# EAGLE board working (EAGLE 9.6.2), part 21 of 28 (continued)
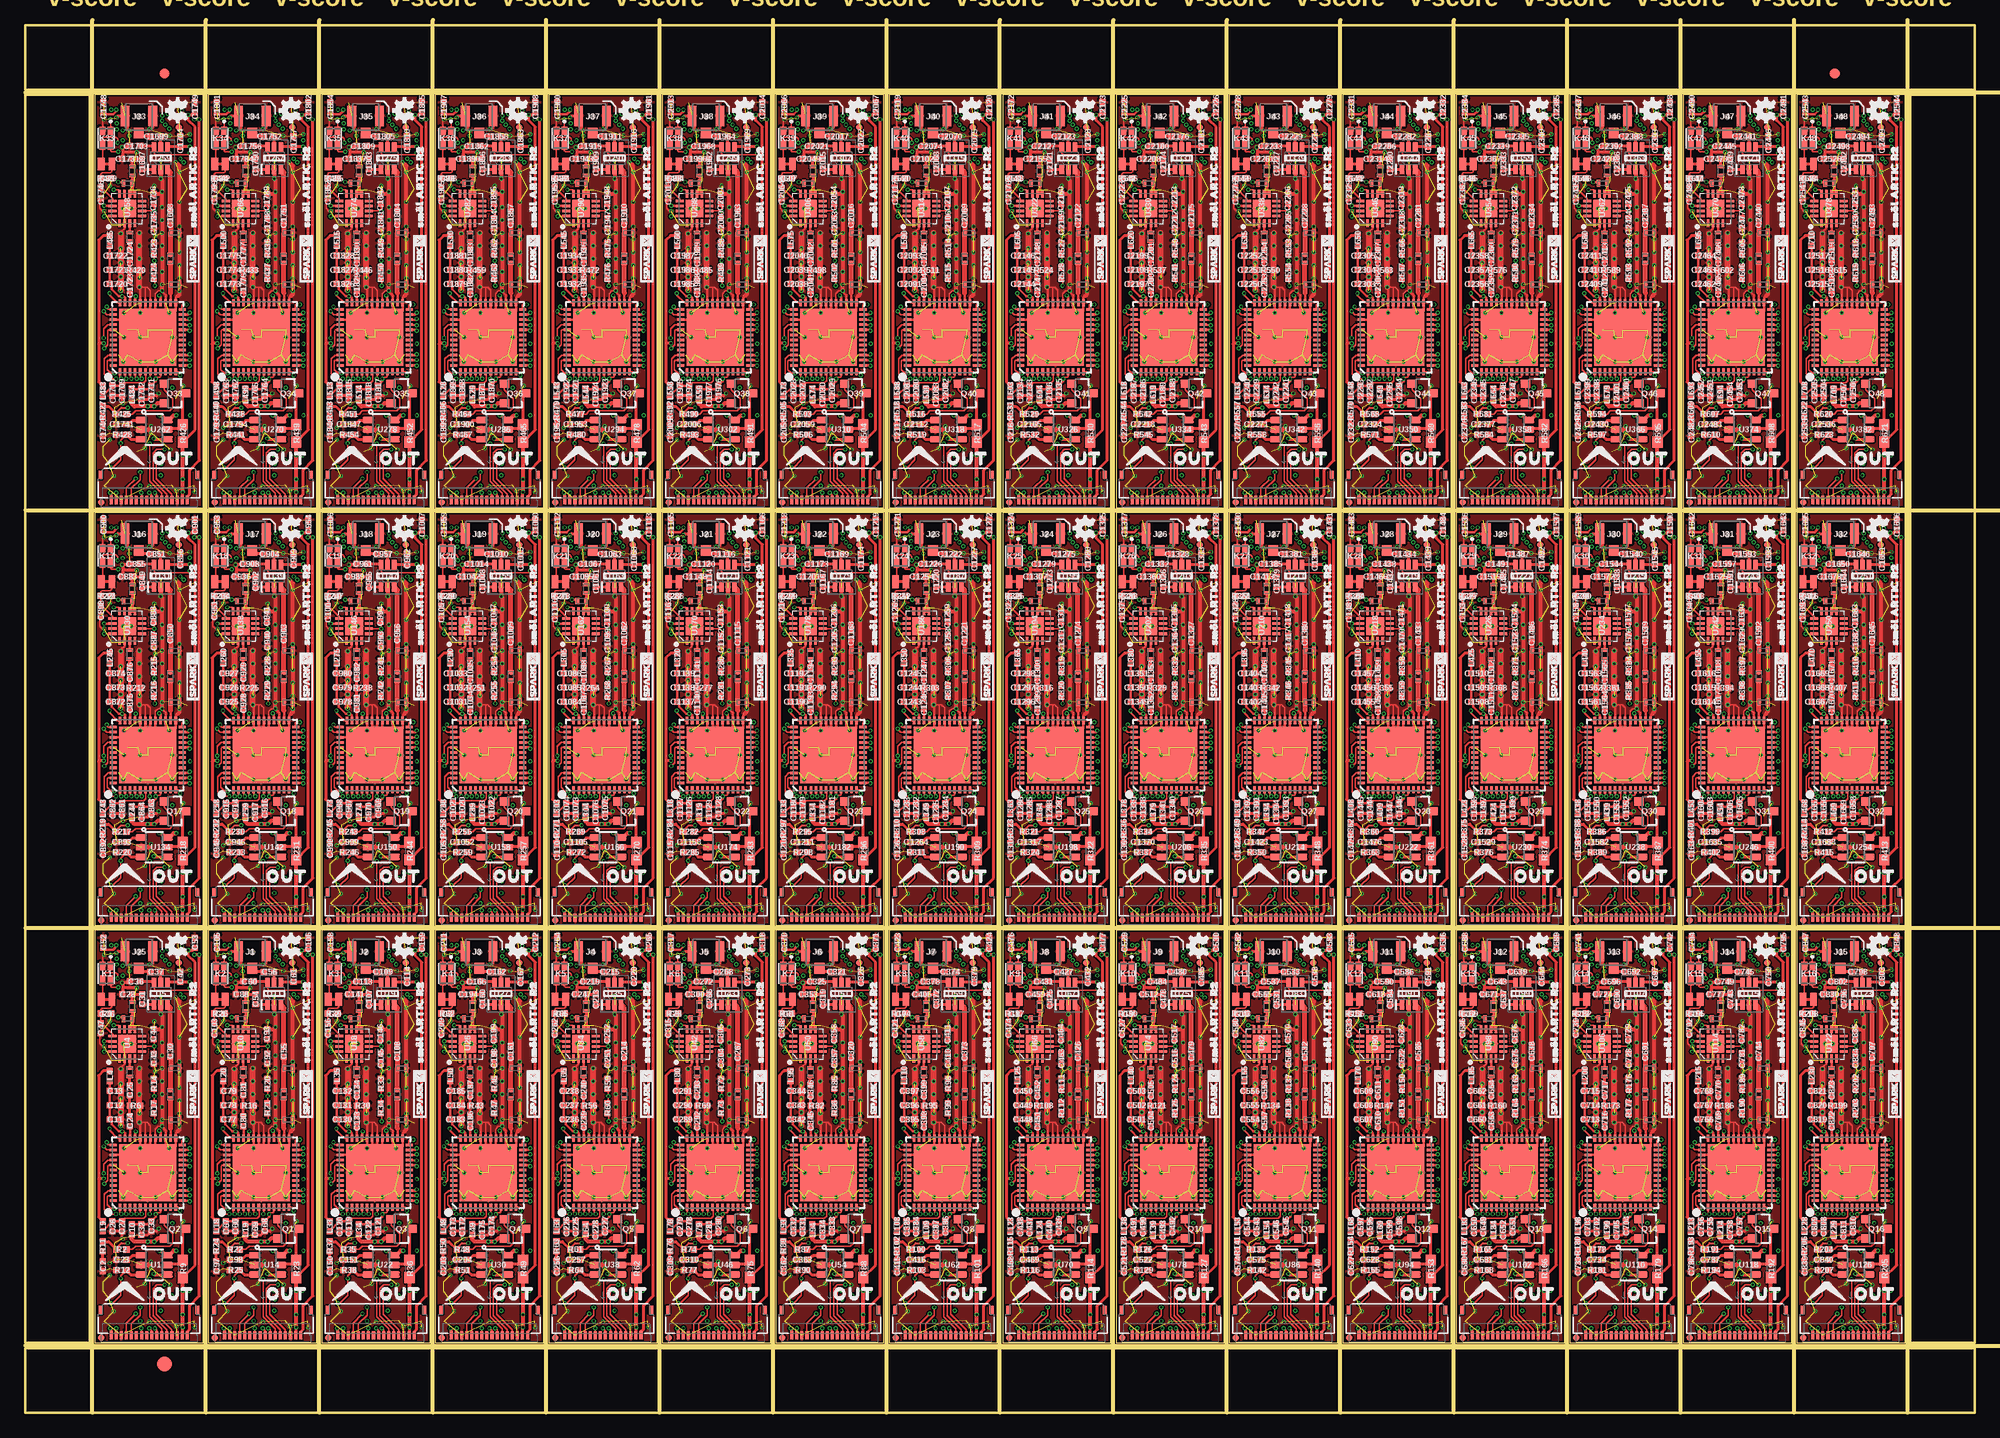
[diagram p0: board, top side]
## Tracks (layer width: path | path; a pad name or v marks a point on that pad's centre or on a via) (continued)
  Bottom 0.305: C964.1 36.83,68.78 36.83,68.57 37.27,68.14 L271.1 v38.23,68.01 38.23,68.59 C963.1
N$509  (via drill 0.2)
  Top 0.254: U145.23 38.29,67.02 38.3,67.03 38.39,67.03 v38.54,67.18
  Bottom 0.305: L272.1 37.85,66.99 38.04,67.18 v38.54,67.18
  Bottom 0.406: C965.1 C966.1 L272.1
N$510
  Top 0.152: U145.6 34.22,61.32 34.22,60.49 34.02,60.29 32.17,60.29 C967.1 | L273.1 29.97,59.02 30.93,59.98 C968.1
  Top 0.254: C968.1 C967.1
N$511  (via drill 0.2)
  Top 0.152: v35.18,60.7 35.18,60.77 35.23,60.82 35.57,60.82 35.67,60.92 U145.9
  Top 0.254: L274.1 C970.1 34.42,59.68 C969.1 35.18,60.44 v35.18,60.7
  Bottom 0.152: v35.18,60.7 34.42,59.94 R235.1 R236.2
N$512  (via drill 0.2)
  Top 0.254: U145.35 32.17,68.67 32,68.84 v31.88,68.84 31.56,68.84 30.87,69.52 30.87,69.85 C978.1 C979.1 C980.1 L275.1 | U145.28 35.67,68.77 v35.54,68.9 | U145.33 33.17,68.78 v33.22,68.84
  Bottom 0.254: v35.54,68.9 35.48,68.84 v33.22,68.84 v31.88,68.84
N$513  (via drill 0.2)
  Top 0.152: U145.36 31.41,68.17 30.64,68.93 v30.64,69.12
  Bottom 0.254: L276.1 30.99,69.47 v30.64,69.12 30.64,69.11 31.17,68.58 C972.1 31.19,68.45 31.63,68.01 C971.1
N$514  (via drill 0.2)
  Top 0.127: U145.41 30.54,65.52 30.46,65.43 30.46,64.03 v30.11,63.69
  Bottom 0.152: v30.11,63.69 30.11,63.11 R237.1
N$515  (via drill 0.2)
  Top 0.152: U145.40 30.46,66.02 30.06,65.62 v30.06,64.71
  Bottom 0.152: v30.06,64.71 30.85,64.71 C973.1 C974.1 L277.1
N$516  (via drill 0.2)
  Top 0.152: v30.35,67.77 30.35,67.68 30.51,67.52 U145.37
  Bottom 0.152: v30.35,67.77 30.86,67.27 31.37,67.27 31.84,66.79 32.11,66.79 X19.4 33.44,66.45 C976.1 C975.1
N$517
  Bottom 0.152: C977.1 30.12,65.63 30.95,66.45 X19.3
N$518  (via drill 0.2)
  Top 0.152: U145.38 30.36,67.02 30.06,67.32 v30.06,67.36
  Bottom 0.152: v30.06,67.36 30.04,67.33 C977.2
N$519
  Top 0.254: U145.34 32.67,69.32 C981.1
N$520
  Top 0.254: 32.64,71.37 R238.2 | C982.1
  Top 0.305: C981.2 32.64,71.37 | R238.2 C982.1
N$521  (via drill 0.2)
  Top 0.254: v30.1,77.72 U146.14
  Bottom 0.254: L279.P$2 30.11,77.74 v30.1,77.72
N$522
  Bottom 0.254: C987.1 C986.1 R240.1 31.39,78.6 L279.P$1
N$523
  Top 0.305: C982.2 L278.P$1
N$524
  Top 0.254: L278.P$2 U146.3
N$525
  Top 0.254: U146.10 32.89,78.92 U146.9
  Top 0.305: 32.89,79.93 L280.P$2 | 32.89,79.93 32.89,78.92 | L281.P$1 32.89,79.93
N$526
  Top 0.254: C988.P$1 36.65,72.1 36.64,72.09 36.65,72.08 | 36.67,69.96 L282.P$2 arc-45 L282.P$2 | U145.26 36.67,69.14 36.65,69.15
  Top 0.508: 36.65,69.15 L282.P$2 | L282.P$2 36.65,72.08
N$527  (via drill 0.2)
  Top 0.254: U145.20 38.43,65.52 v38.54,65.41
  Bottom 0.152: C995.1 37.85,63.55 38.85,63.55 38.99,63.69 38.99,64.96 v38.54,65.41
  Bottom 0.254: C995.1 C996.1 L284.1
N$528
  Top 0.305: U150.5 36.42,55.75 37.44,55.75 R244.1 37.85,58.97 Q19.3
N$529
  Top 0.152: R243.1 32.89,57.21 33.21,57.53 36.58,57.53 36.89,57.85 36.89,58.74 36.02,59.61 Q19.1
N$530  (via drill 0.2)
  Top 0.203: R243.2 31.31,57.35 31.81,57.85 v32.44,57.85
  Top 0.305: v34.99,54.8 35.05,54.74 U150.4 | R245.1 30.03,57.97 30.55,57.97 R243.2
  Bottom 0.203: v34.99,54.8 34.67,54.8 33.91,55.56 33.91,57.47 33.53,57.85 v32.44,57.85
N$531
  Top 0.305: C998.1 R245.2
  Top 0.406: R245.2
N$532
  Top 0.305: U150.1 33.69,56.58 32.88,56.58 32.5,56.2 C999.1
N$533
  Top 0.305: C1008.1 46.18,81.35 U155.1
N$534
  Top 0.508: C1009.1 47.82,81.02 U155.3
N$535
  Top 0.305: U155.5 C1010.2
N$536  (via drill 0.2)
  Top 0.254: U153.24 48.99,67.92 49.08,68.01 v49.4,68.01
  Bottom 0.305: C1017.1 48.01,68.78 48.01,68.57 48.44,68.14 L286.1 v49.4,68.01 49.4,68.59 C1016.1
N$537  (via drill 0.2)
  Top 0.254: U153.23 49.47,67.02 49.47,67.03 49.56,67.03 v49.72,67.18
  Bottom 0.305: L287.1 49.02,66.99 49.21,67.18 v49.72,67.18
  Bottom 0.406: C1018.1 C1019.1 L287.1
N$538
  Top 0.152: U153.6 45.39,61.32 45.39,60.49 45.19,60.29 43.34,60.29 C1020.1 | L288.1 41.15,59.02 42.1,59.98 C1021.1
  Top 0.254: C1021.1 C1020.1
N$539  (via drill 0.2)
  Top 0.152: v46.35,60.7 46.35,60.77 46.4,60.82 46.74,60.82 46.84,60.92 U153.9
  Top 0.254: L289.1 C1023.1 45.59,59.68 C1022.1 46.35,60.44 v46.35,60.7
  Bottom 0.152: v46.35,60.7 45.59,59.94 R248.1 R249.2
N$540  (via drill 0.2)
  Top 0.254: U153.35 43.34,68.67 43.18,68.84 v43.05,68.84 42.73,68.84 42.04,69.52 42.04,69.85 C1031.1 C1032.1 C1033.1 L290.1 | U153.28 46.84,68.77 v46.72,68.9 | U153.33 44.34,68.78 v44.4,68.84
  Bottom 0.254: v46.72,68.9 46.65,68.84 v44.4,68.84 v43.05,68.84
N$541  (via drill 0.2)
  Top 0.152: U153.36 42.58,68.17 41.82,68.93 v41.82,69.12
  Bottom 0.254: L291.1 42.16,69.47 v41.82,69.12 41.82,69.11 42.35,68.58 C1025.1 42.36,68.45 42.81,68.01 C1024.1
N$542  (via drill 0.2)
  Top 0.127: U153.41 41.72,65.52 41.63,65.43 41.63,64.03 v41.29,63.69
  Bottom 0.152: v41.29,63.69 41.29,63.11 R250.1
N$543  (via drill 0.2)
  Top 0.152: U153.40 41.64,66.02 41.24,65.62 v41.24,64.71
  Bottom 0.152: v41.24,64.71 42.03,64.71 C1026.1 C1027.1 L292.1
N$544  (via drill 0.2)
  Top 0.152: v41.53,67.77 41.53,67.68 41.68,67.52 U153.37
  Bottom 0.152: v41.53,67.77 42.04,67.27 42.54,67.27 43.02,66.79 43.29,66.79 X20.4 44.62,66.45 C1029.1 C1028.1
N$545
  Bottom 0.152: C1030.1 41.3,65.63 42.12,66.45 X20.3
N$546  (via drill 0.2)
  Top 0.152: U153.38 41.54,67.02 41.24,67.32 v41.24,67.36
  Bottom 0.152: v41.24,67.36 41.21,67.33 C1030.2
N$547
  Top 0.254: U153.34 43.84,69.32 C1034.1
N$548
  Top 0.254: 43.81,71.37 R251.2 | C1035.1
  Top 0.305: C1034.2 43.81,71.37 | R251.2 C1035.1
N$549  (via drill 0.2)
  Top 0.254: v41.27,77.72 U154.14
  Bottom 0.254: L294.P$2 v41.29,77.74 v41.27,77.72
N$550
  Bottom 0.254: C1040.1 C1039.1 R253.1 42.57,78.6 L294.P$1
N$551
  Top 0.305: C1035.2 L293.P$1
N$552
  Top 0.254: L293.P$2 U154.3
N$553
  Top 0.254: U154.10 44.07,78.92 U154.9
  Top 0.305: 44.07,79.93 L295.P$2 | 44.07,79.93 44.07,78.92 | L296.P$1 44.07,79.93
N$554
  Top 0.254: C1041.P$1 47.83,72.1 47.82,72.09 47.82,72.08 47.83,72.08 | 47.84,69.96 L297.P$2 arc-45 L297.P$2 | U153.26 47.84,69.14 47.83,69.15
  Top 0.508: 47.83,69.15 L297.P$2 | L297.P$2 47.82,72.08
N$555  (via drill 0.2)
  Top 0.254: U153.20 49.61,65.52 v49.72,65.41
  Bottom 0.152: C1048.1 49.02,63.55 50.03,63.55 50.16,63.69 50.16,64.96 v49.72,65.41
  Bottom 0.254: C1048.1 C1049.1 L299.1
N$556
  Top 0.305: U158.5 47.59,55.75 48.62,55.75 R257.1 49.02,58.97 Q20.3
N$557
  Top 0.152: R256.1 44.07,57.21 44.39,57.53 47.75,57.53 48.07,57.85 48.07,58.74 47.2,59.61 Q20.1
N$558  (via drill 0.2)
  Top 0.203: R256.2 42.49,57.35 42.99,57.85 v43.61,57.85
  Top 0.305: v46.16,54.8 46.22,54.74 U158.4 | R258.1 41.2,57.97 41.73,57.97 R256.2
  Bottom 0.203: v46.16,54.8 45.85,54.8 45.08,55.56 45.08,57.47 44.7,57.85 v43.61,57.85
N$559
  Top 0.305: C1051.1 R258.2
  Top 0.406: R258.2
N$560
  Top 0.305: U158.1 44.87,56.58 44.06,56.58 43.68,56.2 C1052.1
N$561
  Top 0.305: C1061.1 57.36,81.35 U163.1
N$562
  Top 0.508: C1062.1 58.99,81.02 U163.3
N$563
  Top 0.305: U163.5 C1063.2
N$564  (via drill 0.2)
  Top 0.254: U161.24 60.17,67.92 60.26,68.01 v60.58,68.01
  Bottom 0.305: C1070.1 59.18,68.78 59.18,68.57 59.62,68.14 L301.1 v60.58,68.01 60.58,68.59 C1069.1
N$565  (via drill 0.2)
  Top 0.254: U161.23 60.64,67.02 60.65,67.03 60.74,67.03 v60.9,67.18
  Bottom 0.305: L302.1 60.2,66.99 60.39,67.18 v60.9,67.18
  Bottom 0.406: C1071.1 C1072.1 L302.1
N$566
  Top 0.152: U161.6 56.57,61.32 56.57,60.49 56.37,60.29 54.52,60.29 C1073.1 | L303.1 52.32,59.02 53.28,59.98 C1074.1
  Top 0.254: C1074.1 C1073.1
N$567  (via drill 0.2)
  Top 0.152: v57.53,60.7 57.53,60.77 57.58,60.82 57.92,60.82 58.02,60.92 U161.9
  Top 0.254: L304.1 C1076.1 56.77,59.68 C1075.1 57.53,60.44 v57.53,60.7
  Bottom 0.152: v57.53,60.7 56.77,59.94 R261.1 R262.2
N$568  (via drill 0.2)
  Top 0.254: U161.35 54.52,68.67 54.36,68.84 v54.23,68.84 53.91,68.84 53.22,69.52 53.22,69.85 C1084.1 C1085.1 C1086.1 53.03,73.79 L305.1 | U161.28 58.02,68.77 v57.89,68.9 | U161.33 55.52,68.78 v55.57,68.84
  Bottom 0.254: v57.89,68.9 57.83,68.84 v55.57,68.84 v54.23,68.84
N$569  (via drill 0.2)
  Top 0.152: U161.36 53.76,68.17 52.99,68.93 v52.99,69.12
  Bottom 0.254: L306.1 53.34,69.47 v52.99,69.12 52.99,69.11 53.52,68.58 C1078.1 53.54,68.45 53.98,68.01 C1077.1
N$570  (via drill 0.2)
  Top 0.127: U161.41 52.9,65.52 52.81,65.43 52.81,64.03 v52.46,63.69
  Bottom 0.152: v52.46,63.69 52.46,63.11 R263.1
N$571  (via drill 0.2)
  Top 0.152: U161.40 52.81,66.02 52.42,65.62 v52.42,64.71
  Bottom 0.152: v52.42,64.71 53.2,64.71 C1079.1 C1080.1 L307.1
N$572  (via drill 0.2)
  Top 0.152: v52.7,67.77 52.7,67.68 52.86,67.52 U161.37
  Bottom 0.152: v52.7,67.77 53.21,67.27 53.72,67.27 54.19,66.79 54.46,66.79 X21.4 55.79,66.45 C1082.1 C1081.1
N$573
  Bottom 0.152: C1083.1 52.48,65.63 53.3,66.45 X21.3
N$574  (via drill 0.2)
  Top 0.152: U161.38 52.71,67.02 52.41,67.32 v52.41,67.36
  Bottom 0.152: v52.41,67.36 52.39,67.33 C1083.2
N$575
  Top 0.254: U161.34 55.02,69.32 C1087.1
N$576
  Top 0.254: 54.99,71.37 R264.2 | C1088.1
  Top 0.305: C1087.2 54.99,71.37 | R264.2 C1088.1
N$577  (via drill 0.2)
  Top 0.254: v52.45,77.72 U162.14
  Bottom 0.254: L309.P$2 52.46,77.74 v52.45,77.72
N$578
  Bottom 0.254: C1093.1 C1092.1 R266.1 53.74,78.6 L309.P$1
N$579
  Top 0.305: C1088.2 L308.P$1
N$580
  Top 0.254: L308.P$2 U162.3
N$581
  Top 0.254: U162.10 55.24,78.92 U162.9
  Top 0.305: 55.24,79.93 L310.P$2 | 55.24,79.93 55.24,78.92 | L311.P$1 55.24,79.93
N$582
  Top 0.254: C1094.P$1 59,72.1 58.99,72.09 59,72.08 | 59.02,69.96 L312.P$2 arc-45 L312.P$2 | U161.26 59.02,69.14 59,69.15
  Top 0.508: 59,69.15 L312.P$2 | L312.P$2 59,72.08
N$583  (via drill 0.2)
  Top 0.254: U161.20 60.78,65.52 v60.9,65.41
  Bottom 0.152: C1101.1 60.2,63.55 61.21,63.55 61.34,63.69 61.34,64.96 v60.9,65.41
  Bottom 0.254: C1101.1 C1102.1 L314.1
N$584
  Top 0.305: U166.5 58.77,55.75 59.79,55.75 R270.1 60.2,58.97 Q21.3
N$585
  Top 0.152: R269.1 55.24,57.21 55.56,57.53 58.93,57.53 59.25,57.85 59.25,58.74 58.37,59.61 Q21.1
N$586  (via drill 0.2)
  Top 0.203: R269.2 53.66,57.35 54.16,57.85 v54.79,57.85
  Top 0.305: v57.34,54.8 57.4,54.74 U166.4 | R271.1 52.38,57.97 52.9,57.97 R269.2
  Bottom 0.203: v57.34,54.8 57.02,54.8 56.26,55.56 56.26,57.47 55.88,57.85 v54.79,57.85
N$587
  Top 0.305: C1104.1 R271.2
  Top 0.406: 52.32,57.02 R271.2
N$588
  Top 0.305: U166.1 56.04,56.58 55.24,56.58 54.86,56.2 C1105.1
N$589
  Top 0.305: C1114.1 68.54,81.35 U171.1
N$590
  Top 0.508: C1115.1 70.17,81.02 U171.3
N$591
  Top 0.305: U171.5 C1116.2
N$592  (via drill 0.2)
  Top 0.254: U169.24 71.34,67.92 71.44,68.01 v71.76,68.01
  Bottom 0.305: C1123.1 70.36,68.78 70.36,68.57 70.8,68.14 L316.1 v71.76,68.01 71.76,68.59 C1122.1
N$593  (via drill 0.2)
  Top 0.254: U169.23 71.82,67.02 71.83,67.03 71.92,67.03 v72.07,67.18
  Bottom 0.305: L317.1 71.37,66.99 71.56,67.18 v72.07,67.18
  Bottom 0.406: C1124.1 C1125.1 L317.1
N$594
  Top 0.152: U169.6 67.75,61.32 67.75,60.49 67.55,60.29 65.69,60.29 C1126.1 | L318.1 63.5,59.02 64.45,59.98 C1127.1
  Top 0.254: C1127.1 C1126.1
N$595  (via drill 0.2)
  Top 0.152: v68.71,60.7 68.71,60.77 68.76,60.82 69.09,60.82 69.2,60.92 U169.9
  Top 0.254: L319.1 C1129.1 67.95,59.68 C1128.1 68.71,60.44 v68.71,60.7
  Bottom 0.152: v68.71,60.7 67.95,59.94 R274.1 R275.2
N$596  (via drill 0.2)
  Top 0.254: U169.35 65.7,68.67 65.53,68.84 v65.41,68.84 65.09,68.84 64.4,69.52 64.4,69.85 C1137.1 C1138.1 C1139.1 L320.1 | U169.28 69.2,68.77 v69.07,68.9 | U169.33 66.7,68.78 v66.75,68.84
  Bottom 0.254: v69.07,68.9 69.01,68.84 v66.75,68.84 v65.41,68.84
N$597  (via drill 0.2)
  Top 0.152: U169.36 64.94,68.17 64.17,68.93 v64.17,69.12
  Bottom 0.254: L321.1 64.52,69.47 v64.17,69.12 64.17,69.11 64.7,68.58 C1131.1 64.71,68.45 65.16,68.01 C1130.1
N$598  (via drill 0.2)
  Top 0.127: U169.41 64.07,65.52 63.98,65.43 63.98,64.03 v63.64,63.69
  Bottom 0.152: v63.64,63.69 63.64,63.11 R276.1
N$599  (via drill 0.2)
  Top 0.152: U169.40 63.99,66.02 63.59,65.62 v63.59,64.71
  Bottom 0.152: v63.59,64.71 64.38,64.71 C1132.1 C1133.1 L322.1
N$600  (via drill 0.2)
  Top 0.152: v63.88,67.77 63.88,67.68 64.04,67.52 U169.37
  Bottom 0.152: v63.88,67.77 64.39,67.27 64.89,67.27 65.37,66.79 65.64,66.79 X22.4 66.97,66.45 C1135.1 C1134.1
N$601
  Bottom 0.152: C1136.1 63.65,65.63 64.47,66.45 X22.3
N$602  (via drill 0.2)
  Top 0.152: U169.38 63.89,67.02 63.59,67.32 v63.59,67.36
  Bottom 0.152: v63.59,67.36 63.56,67.33 C1136.2
N$603
  Top 0.254: U169.34 66.2,69.32 C1140.1
N$604
  Top 0.254: 66.17,71.37 R277.2 | C1141.1
  Top 0.305: C1140.2 66.17,71.37 | R277.2 C1141.1
N$605  (via drill 0.2)
  Top 0.254: v63.63,77.72 U170.14
  Bottom 0.254: L324.P$2 63.64,77.74 v63.63,77.72
N$606
  Bottom 0.254: C1146.1 C1145.1 R279.1 64.92,78.6 L324.P$1
N$607
  Top 0.305: C1141.2 L323.P$1
N$608
  Top 0.254: L323.P$2 U170.3
N$609
  Top 0.254: U170.10 66.42,78.92 U170.9
  Top 0.305: 66.42,79.93 L325.P$2 | 66.42,79.93 66.42,78.92 | L326.P$1 66.42,79.93
N$610
  Top 0.254: C1147.P$1 70.18,72.1 70.17,72.09 70.18,72.08 | 70.2,69.96 L327.P$2 arc-45 L327.P$2 | U169.26 70.2,69.14 70.18,69.15
  Top 0.508: 70.18,69.15 L327.P$2 | L327.P$2 70.18,72.08
N$611  (via drill 0.2)
  Top 0.254: U169.20 71.96,65.52 v72.07,65.41
  Bottom 0.152: C1154.1 71.37,63.55 72.38,63.55 72.52,63.69 72.52,64.96 v72.07,65.41
  Bottom 0.254: C1154.1 C1155.1 L329.1
N$612
  Top 0.305: U174.5 69.94,55.75 70.97,55.75 R283.1 71.37,58.97 Q22.3
N$613
  Top 0.152: R282.1 66.42,57.21 66.74,57.53 70.1,57.53 70.42,57.85 70.42,58.74 69.55,59.61 Q22.1
N$614  (via drill 0.2)
  Top 0.203: R282.2 64.84,57.35 65.34,57.85 v65.97,57.85
  Top 0.305: v68.52,54.8 68.58,54.74 U174.4 | R284.1 63.55,57.97 64.08,57.97 R282.2
  Bottom 0.203: v68.52,54.8 68.2,54.8 67.44,55.56 67.44,57.47 67.06,57.85 v65.97,57.85
N$615
  Top 0.305: C1157.1 R284.2
  Top 0.406: R284.2
N$616
  Top 0.305: U174.1 67.22,56.58 66.41,56.58 66.03,56.2 C1158.1
N$617
  Top 0.305: C1167.1 79.71,81.35 U179.1
N$618
  Top 0.508: C1168.1 81.34,81.02 U179.3
N$619
  Top 0.305: U179.5 C1169.2
N$620  (via drill 0.2)
  Top 0.254: U177.24 82.52,67.92 82.61,68.01 v82.93,68.01
  Bottom 0.305: C1176.1 81.53,68.78 81.53,68.57 81.97,68.14 L331.1 v82.93,68.01 82.93,68.59 C1175.1
N$621  (via drill 0.2)
  Top 0.254: U177.23 83,67.02 83,67.03 83.09,67.03 v83.25,67.18
  Bottom 0.305: L332.1 82.55,66.99 82.74,67.18 v83.25,67.18
  Bottom 0.406: C1177.1 C1178.1 L332.1
N$622
  Top 0.152: U177.6 78.92,61.32 78.92,60.49 78.72,60.29 76.87,60.29 C1179.1 | L333.1 74.68,59.02 75.63,59.98 C1180.1
  Top 0.254: C1180.1 C1179.1
N$623  (via drill 0.2)
  Top 0.152: v79.88,60.7 79.88,60.77 79.93,60.82 80.27,60.82 80.37,60.92 U177.9
  Top 0.254: L334.1 C1182.1 79.12,59.68 C1181.1 79.88,60.44 v79.88,60.7
  Bottom 0.152: v79.88,60.7 79.12,59.94 R287.1 R288.2
N$624  (via drill 0.2)
  Top 0.254: U177.35 76.87,68.67 76.71,68.84 v76.58,68.84 76.26,68.84 75.57,69.52 75.57,69.85 C1190.1 C1191.1 C1192.1 L335.1 | U177.28 80.37,68.77 v80.25,68.9 | U177.33 77.87,68.78 v77.93,68.84
  Bottom 0.254: v80.25,68.9 80.18,68.84 v77.93,68.84 v76.58,68.84
N$625  (via drill 0.2)
  Top 0.152: U177.36 76.11,68.17 75.35,68.93 v75.35,69.12
  Bottom 0.254: L336.1 75.69,69.47 v75.35,69.12 75.35,69.11 75.87,68.58 C1184.1 75.89,68.45 76.34,68.01 C1183.1
N$626  (via drill 0.2)
  Top 0.127: U177.41 75.25,65.52 75.16,65.43 75.16,64.03 v74.82,63.69
  Bottom 0.152: v74.82,63.69 74.82,63.11 R289.1
N$627  (via drill 0.2)
  Top 0.152: U177.40 75.16,66.02 74.77,65.62 v74.77,64.71
  Bottom 0.152: v74.77,64.71 75.56,64.71 C1185.1 C1186.1 L337.1
N$628  (via drill 0.2)
  Top 0.152: v75.06,67.77 75.06,67.68 75.21,67.52 U177.37
  Bottom 0.152: v75.06,67.77 75.56,67.27 76.07,67.27 76.55,66.79 76.81,66.79 X23.4 78.14,66.45 C1188.1 C1187.1
N$629
  Bottom 0.152: C1189.1 74.83,65.63 75.65,66.45 X23.3
N$630  (via drill 0.2)
  Top 0.152: U177.38 75.06,67.02 74.77,67.32 v74.77,67.36
  Bottom 0.152: v74.77,67.36 74.74,67.33 C1189.2
N$631
  Top 0.254: U177.34 77.37,69.32 C1193.1
N$632
  Top 0.254: 77.34,71.37 R290.2 | 77.35,72.39 C1194.1
  Top 0.305: C1193.2 77.34,71.37 | R290.2 77.35,72.39
N$633  (via drill 0.2)
  Top 0.254: v74.8,77.72 U178.14
  Bottom 0.254: L339.P$2 74.82,77.74 v74.8,77.72
N$634
  Bottom 0.254: C1199.1 C1198.1 R292.1 76.09,78.6 L339.P$1
N$635
  Top 0.305: C1194.2 L338.P$1
N$636
  Top 0.254: L338.P$2 U178.3
N$637
  Top 0.254: U178.10 77.6,78.92 U178.9
  Top 0.305: 77.6,79.93 L340.P$2 | 77.6,79.93 77.6,78.92 | L341.P$1 77.6,79.93
N$638
  Top 0.254: C1200.P$1 81.36,72.1 81.34,72.09 81.35,72.08 81.36,72.08 | 81.37,69.96 L342.P$2 arc-45 L342.P$2 | U177.26 81.37,69.14 81.36,69.15
  Top 0.508: 81.36,69.15 L342.P$2 | L342.P$2 81.35,72.08
N$639  (via drill 0.2)
  Top 0.254: U177.20 83.13,65.52 v83.25,65.41
  Bottom 0.152: C1207.1 82.55,63.55 83.56,63.55 83.69,63.69 83.69,64.96 v83.25,65.41
  Bottom 0.254: C1207.1 C1208.1 L344.1
N$640
  Top 0.305: U182.5 81.12,55.75 82.15,55.75 R296.1 82.55,58.97 Q23.3
N$641
  Top 0.152: R295.1 77.6,57.21 77.91,57.53 81.28,57.53 81.6,57.85 81.6,58.74 80.73,59.61 Q23.1
N$642  (via drill 0.2)
  Top 0.203: R295.2 76.02,57.35 76.52,57.85 v77.14,57.85
  Top 0.305: v79.69,54.8 79.75,54.74 U182.4 | R297.1 74.73,57.97 75.26,57.97 R295.2
  Bottom 0.203: v79.69,54.8 79.38,54.8 78.61,55.56 78.61,57.47 78.23,57.85 v77.14,57.85
N$643
  Top 0.305: C1210.1 R297.2
  Top 0.406: R297.2
N$644
  Top 0.305: U182.1 78.4,56.58 77.59,56.58 77.21,56.2 C1211.1
N$645
  Top 0.305: C1220.1 90.89,81.35 U187.1
N$646
  Top 0.508: C1221.1 92.52,81.02 U187.3
N$647
  Top 0.305: U187.5 C1222.2
N$648  (via drill 0.2)
  Top 0.254: U185.24 93.7,67.92 93.79,68.01 v94.11,68.01
  Bottom 0.305: C1229.1 92.71,68.78 92.71,68.57 93.15,68.14 L346.1 v94.11,68.01 94.11,68.59 C1228.1
N$649  (via drill 0.2)
  Top 0.254: U185.23 94.17,67.02 94.18,67.03 94.27,67.03 v94.42,67.18
  Bottom 0.305: L347.1 93.73,66.99 93.92,67.18 v94.42,67.18
  Bottom 0.406: C1230.1 C1231.1 L347.1
N$650
  Top 0.152: U185.6 90.1,61.32 90.1,60.49 89.9,60.29 88.05,60.29 C1232.1 | L348.1 85.85,59.02 86.81,59.98 C1233.1
  Top 0.254: C1233.1 C1232.1
N$651  (via drill 0.2)
  Top 0.152: v91.06,60.7 91.06,60.77 91.11,60.82 91.45,60.82 91.55,60.92 U185.9
  Top 0.254: L349.1 C1235.1 90.3,59.68 C1234.1 91.06,60.44 v91.06,60.7
  Bottom 0.152: v91.06,60.7 90.3,59.94 R300.1 R301.2
N$652  (via drill 0.2)
  Top 0.254: U185.35 88.05,68.67 87.88,68.84 v87.76,68.84 87.44,68.84 86.75,69.52 86.75,69.85 C1243.1 C1244.1 C1245.1 L350.1 | U185.28 91.55,68.77 v91.42,68.9 | U185.33 89.05,68.78 v89.1,68.84
  Bottom 0.254: v91.42,68.9 91.36,68.84 v89.1,68.84 v87.76,68.84
N$653  (via drill 0.2)
  Top 0.152: U185.36 87.29,68.17 86.52,68.93 v86.52,69.12
  Bottom 0.254: L351.1 86.87,69.47 v86.52,69.12 86.52,69.11 87.05,68.58 C1237.1 87.07,68.45 87.51,68.01 C1236.1
N$654  (via drill 0.2)
  Top 0.127: U185.41 86.42,65.52 86.34,65.43 86.34,64.03 v85.99,63.69
  Bottom 0.152: v85.99,63.69 85.99,63.11 R302.1
N$655  (via drill 0.2)
  Top 0.152: U185.40 86.34,66.02 85.94,65.62 v85.94,64.71
  Bottom 0.152: v85.94,64.71 86.73,64.71 C1238.1 C1239.1 L352.1
N$656  (via drill 0.2)
  Top 0.152: v86.23,67.77 86.23,67.68 86.39,67.52 U185.37
  Bottom 0.152: v86.23,67.77 86.74,67.27 87.25,67.27 87.72,66.79 87.99,66.79 X24.4 89.32,66.45 C1241.1 C1240.1
N$657
  Bottom 0.152: C1242.1 86,65.63 86.83,66.45 X24.3
N$658  (via drill 0.2)
  Top 0.152: U185.38 86.24,67.02 85.94,67.32 v85.94,67.36
  Bottom 0.152: v85.94,67.36 85.92,67.33 C1242.2
N$659
  Top 0.254: U185.34 88.55,69.32 C1246.1
N$660
  Top 0.254: 88.52,71.37 R303.2 | C1247.1
  Top 0.305: C1246.2 88.52,71.37 | R303.2 C1247.1
N$661  (via drill 0.2)
  Top 0.254: v85.98,77.72 U186.14
  Bottom 0.254: L354.P$2 85.99,77.74 v85.98,77.72
N$662
  Bottom 0.254: C1252.1 C1251.1 R305.1 87.27,78.6 L354.P$1
N$663
  Top 0.305: C1247.2 L353.P$1
N$664
  Top 0.254: L353.P$2 U186.3
N$665
  Top 0.254: U186.10 88.77,78.92 U186.9
  Top 0.305: 88.77,79.93 L355.P$2 | 88.77,79.93 88.77,78.92 | L356.P$1 88.77,79.93
N$666
  Top 0.254: C1253.P$1 92.53,72.1 92.52,72.09 92.53,72.08 | 92.55,69.96 L357.P$2 arc-45 L357.P$2 | U185.26 92.55,69.14 92.53,69.15
  Top 0.508: 92.53,69.15 L357.P$2 | L357.P$2 92.53,72.08
N$667  (via drill 0.2)
  Top 0.254: U185.20 94.31,65.52 v94.42,65.41
  Bottom 0.152: C1260.1 93.73,63.55 94.73,63.55 94.87,63.69 94.87,64.96 v94.42,65.41
  Bottom 0.254: C1260.1 C1261.1 L359.1
N$668
  Top 0.305: U190.5 92.3,55.75 93.32,55.75 R309.1 93.73,58.97 Q24.3
N$669
  Top 0.152: R308.1 88.77,57.21 89.09,57.53 92.46,57.53 92.77,57.85 92.77,58.74 91.9,59.61 Q24.1
N$670  (via drill 0.2)
  Top 0.203: R308.2 87.19,57.35 87.69,57.85 v88.32,57.85
  Top 0.305: v90.87,54.8 90.93,54.74 U190.4 | R310.1 85.91,57.97 86.43,57.97 R308.2
  Bottom 0.203: v90.87,54.8 90.55,54.8 89.79,55.56 89.79,57.47 89.41,57.85 v88.32,57.85
N$671
  Top 0.305: C1263.1 R310.2
  Top 0.406: R310.2
N$672
  Top 0.305: U190.1 89.57,56.58 88.77,56.58 88.38,56.2 C1264.1
N$673
  Top 0.305: C1273.1 102.06,81.35 U195.1
N$674
  Top 0.508: C1274.1 103.7,81.02 U195.3
N$675
  Top 0.305: U195.5 C1275.2
N$676  (via drill 0.2)
  Top 0.254: U193.24 104.87,67.92 104.97,68.01 v105.28,68.01
  Bottom 0.305: C1282.1 103.89,68.78 103.89,68.57 104.32,68.14 L361.1 v105.28,68.01 105.28,68.59 C1281.1
N$677  (via drill 0.2)
  Top 0.254: U193.23 105.35,67.02 105.35,67.03 105.44,67.03 v105.6,67.18
  Bottom 0.305: L362.1 104.9,66.99 105.09,67.18 v105.6,67.18
  Bottom 0.406: C1283.1 C1284.1 L362.1
N$678
  Top 0.152: U193.6 101.27,61.32 101.27,60.49 101.07,60.29 99.22,60.29 C1285.1 | L363.1 97.03,59.02 97.98,59.98 C1286.1
  Top 0.254: C1286.1 C1285.1
N$679  (via drill 0.2)
  Top 0.152: v102.23,60.7 102.23,60.77 102.28,60.82 102.62,60.82 102.72,60.92 U193.9
  Top 0.254: L364.1 C1288.1 101.47,59.68 C1287.1 102.23,60.44 v102.23,60.7
  Bottom 0.152: v102.23,60.7 101.48,59.94 R313.1 R314.2
N$680  (via drill 0.2)
  Top 0.254: U193.35 99.22,68.67 99.06,68.84 v98.93,68.84 98.61,68.84 97.92,69.52 97.92,69.85 C1296.1 C1297.1 C1298.1 L365.1 | U193.28 102.72,68.77 v102.6,68.9 | U193.33 100.22,68.78 v100.28,68.84
  Bottom 0.254: v102.6,68.9 102.53,68.84 v100.28,68.84 v98.93,68.84
N$681  (via drill 0.2)
  Top 0.152: U193.36 98.46,68.17 97.7,68.93 v97.7,69.12
  Bottom 0.254: L366.1 98.04,69.47 v97.7,69.12 97.7,69.11 98.23,68.58 C1290.1 98.24,68.45 98.69,68.01 C1289.1
N$682  (via drill 0.2)
  Top 0.127: U193.41 97.6,65.52 97.51,65.43 97.51,64.03 v97.17,63.69
  Bottom 0.152: v97.17,63.69 97.17,63.11 R315.1
N$683  (via drill 0.2)
  Top 0.152: U193.40 97.52,66.02 97.12,65.62 v97.12,64.71
  Bottom 0.152: v97.12,64.71 97.91,64.71 C1291.1 C1292.1 L367.1
N$684  (via drill 0.2)
  Top 0.152: v97.41,67.77 97.41,67.68 97.56,67.52 U193.37
  Bottom 0.152: v97.41,67.77 97.92,67.27 98.42,67.27 98.9,66.79 99.17,66.79 X25.4 100.5,66.45 C1294.1 C1293.1
N$685
  Bottom 0.152: C1295.1 97.18,65.63 98,66.45 X25.3
N$686  (via drill 0.2)
  Top 0.152: U193.38 97.42,67.02 97.12,67.32 v97.12,67.36
  Bottom 0.152: v97.12,67.36 97.09,67.33 C1295.2
N$687
  Top 0.254: U193.34 99.72,69.32 C1299.1
N$688
  Top 0.254: 99.7,71.37 R316.2 | C1300.1
  Top 0.305: C1299.2 99.7,71.37 | R316.2 C1300.1
N$689  (via drill 0.2)
  Top 0.254: v97.16,77.72 U194.14
  Bottom 0.254: L369.P$2 v97.17,77.74 v97.16,77.72
N$690
  Bottom 0.254: C1305.1 C1304.1 R318.1 98.45,78.6 L369.P$1
N$691
  Top 0.305: C1300.2 L368.P$1
N$692
  Top 0.254: L368.P$2 U194.3
N$693
  Top 0.254: U194.10 99.95,78.92 U194.9
  Top 0.305: 99.95,79.93 L370.P$2 | 99.95,79.93 99.95,78.92 | L371.P$1 99.95,79.93
N$694
  Top 0.254: C1306.P$1 103.71,72.1 103.7,72.09 103.7,72.08 103.71,72.08 | 103.72,69.96 L372.P$2 arc-45 L372.P$2 | U193.26 103.72,69.14 103.71,69.15
  Top 0.508: 103.71,69.15 L372.P$2 | L372.P$2 103.7,72.08
N$695  (via drill 0.2)
  Top 0.254: U193.20 105.48,65.52 v105.6,65.41
  Bottom 0.152: C1313.1 104.9,63.55 105.91,63.55 106.05,63.69 106.05,64.96 v105.6,65.41
  Bottom 0.254: C1313.1 C1314.1 L374.1
N$696
  Top 0.305: U198.5 103.47,55.75 104.5,55.75 R322.1 104.9,58.97 Q25.3
N$697
  Top 0.152: R321.1 99.95,57.21 100.27,57.53 103.63,57.53 103.95,57.85 103.95,58.74 103.08,59.61 Q25.1
N$698  (via drill 0.2)
  Top 0.203: R321.2 98.37,57.35 98.87,57.85 v99.49,57.85
  Top 0.305: v102.04,54.8 102.11,54.74 U198.4 | R323.1 97.08,57.97 97.61,57.97 R321.2
  Bottom 0.203: v102.04,54.8 101.73,54.8 100.97,55.56 100.97,57.47 100.58,57.85 v99.49,57.85
N$699
  Top 0.305: C1316.1 R323.2
  Top 0.406: R323.2
N$700
  Top 0.305: U198.1 100.75,56.58 99.94,56.58 99.56,56.2 C1317.1
N$701
  Top 0.305: C1326.1 113.24,81.35 U203.1
N$702
  Top 0.508: C1327.1 114.87,81.02 U203.3
N$703
  Top 0.305: U203.5 113.92,84.57 C1328.2
N$704  (via drill 0.2)
  Top 0.254: U201.24 116.05,67.92 116.14,68.01 v116.46,68.01
  Bottom 0.305: C1335.1 115.06,68.78 115.06,68.57 115.5,68.14 L376.1 v116.46,68.01 116.46,68.59 C1334.1
N$705  (via drill 0.2)
  Top 0.254: U201.23 116.52,67.02 116.53,67.03 116.62,67.03 v116.78,67.18
  Bottom 0.305: L377.1 116.08,66.99 116.27,67.18 v116.78,67.18
  Bottom 0.406: C1336.1 C1337.1 L377.1
N$706
  Top 0.152: U201.6 112.45,61.32 112.45,60.49 112.25,60.29 110.4,60.29 C1338.1 | L378.1 108.2,59.02 109.16,59.98 C1339.1
  Top 0.254: C1339.1 C1338.1
N$707  (via drill 0.2)